# KiCad board IchnaeaV2.kicad_pcb (continued)
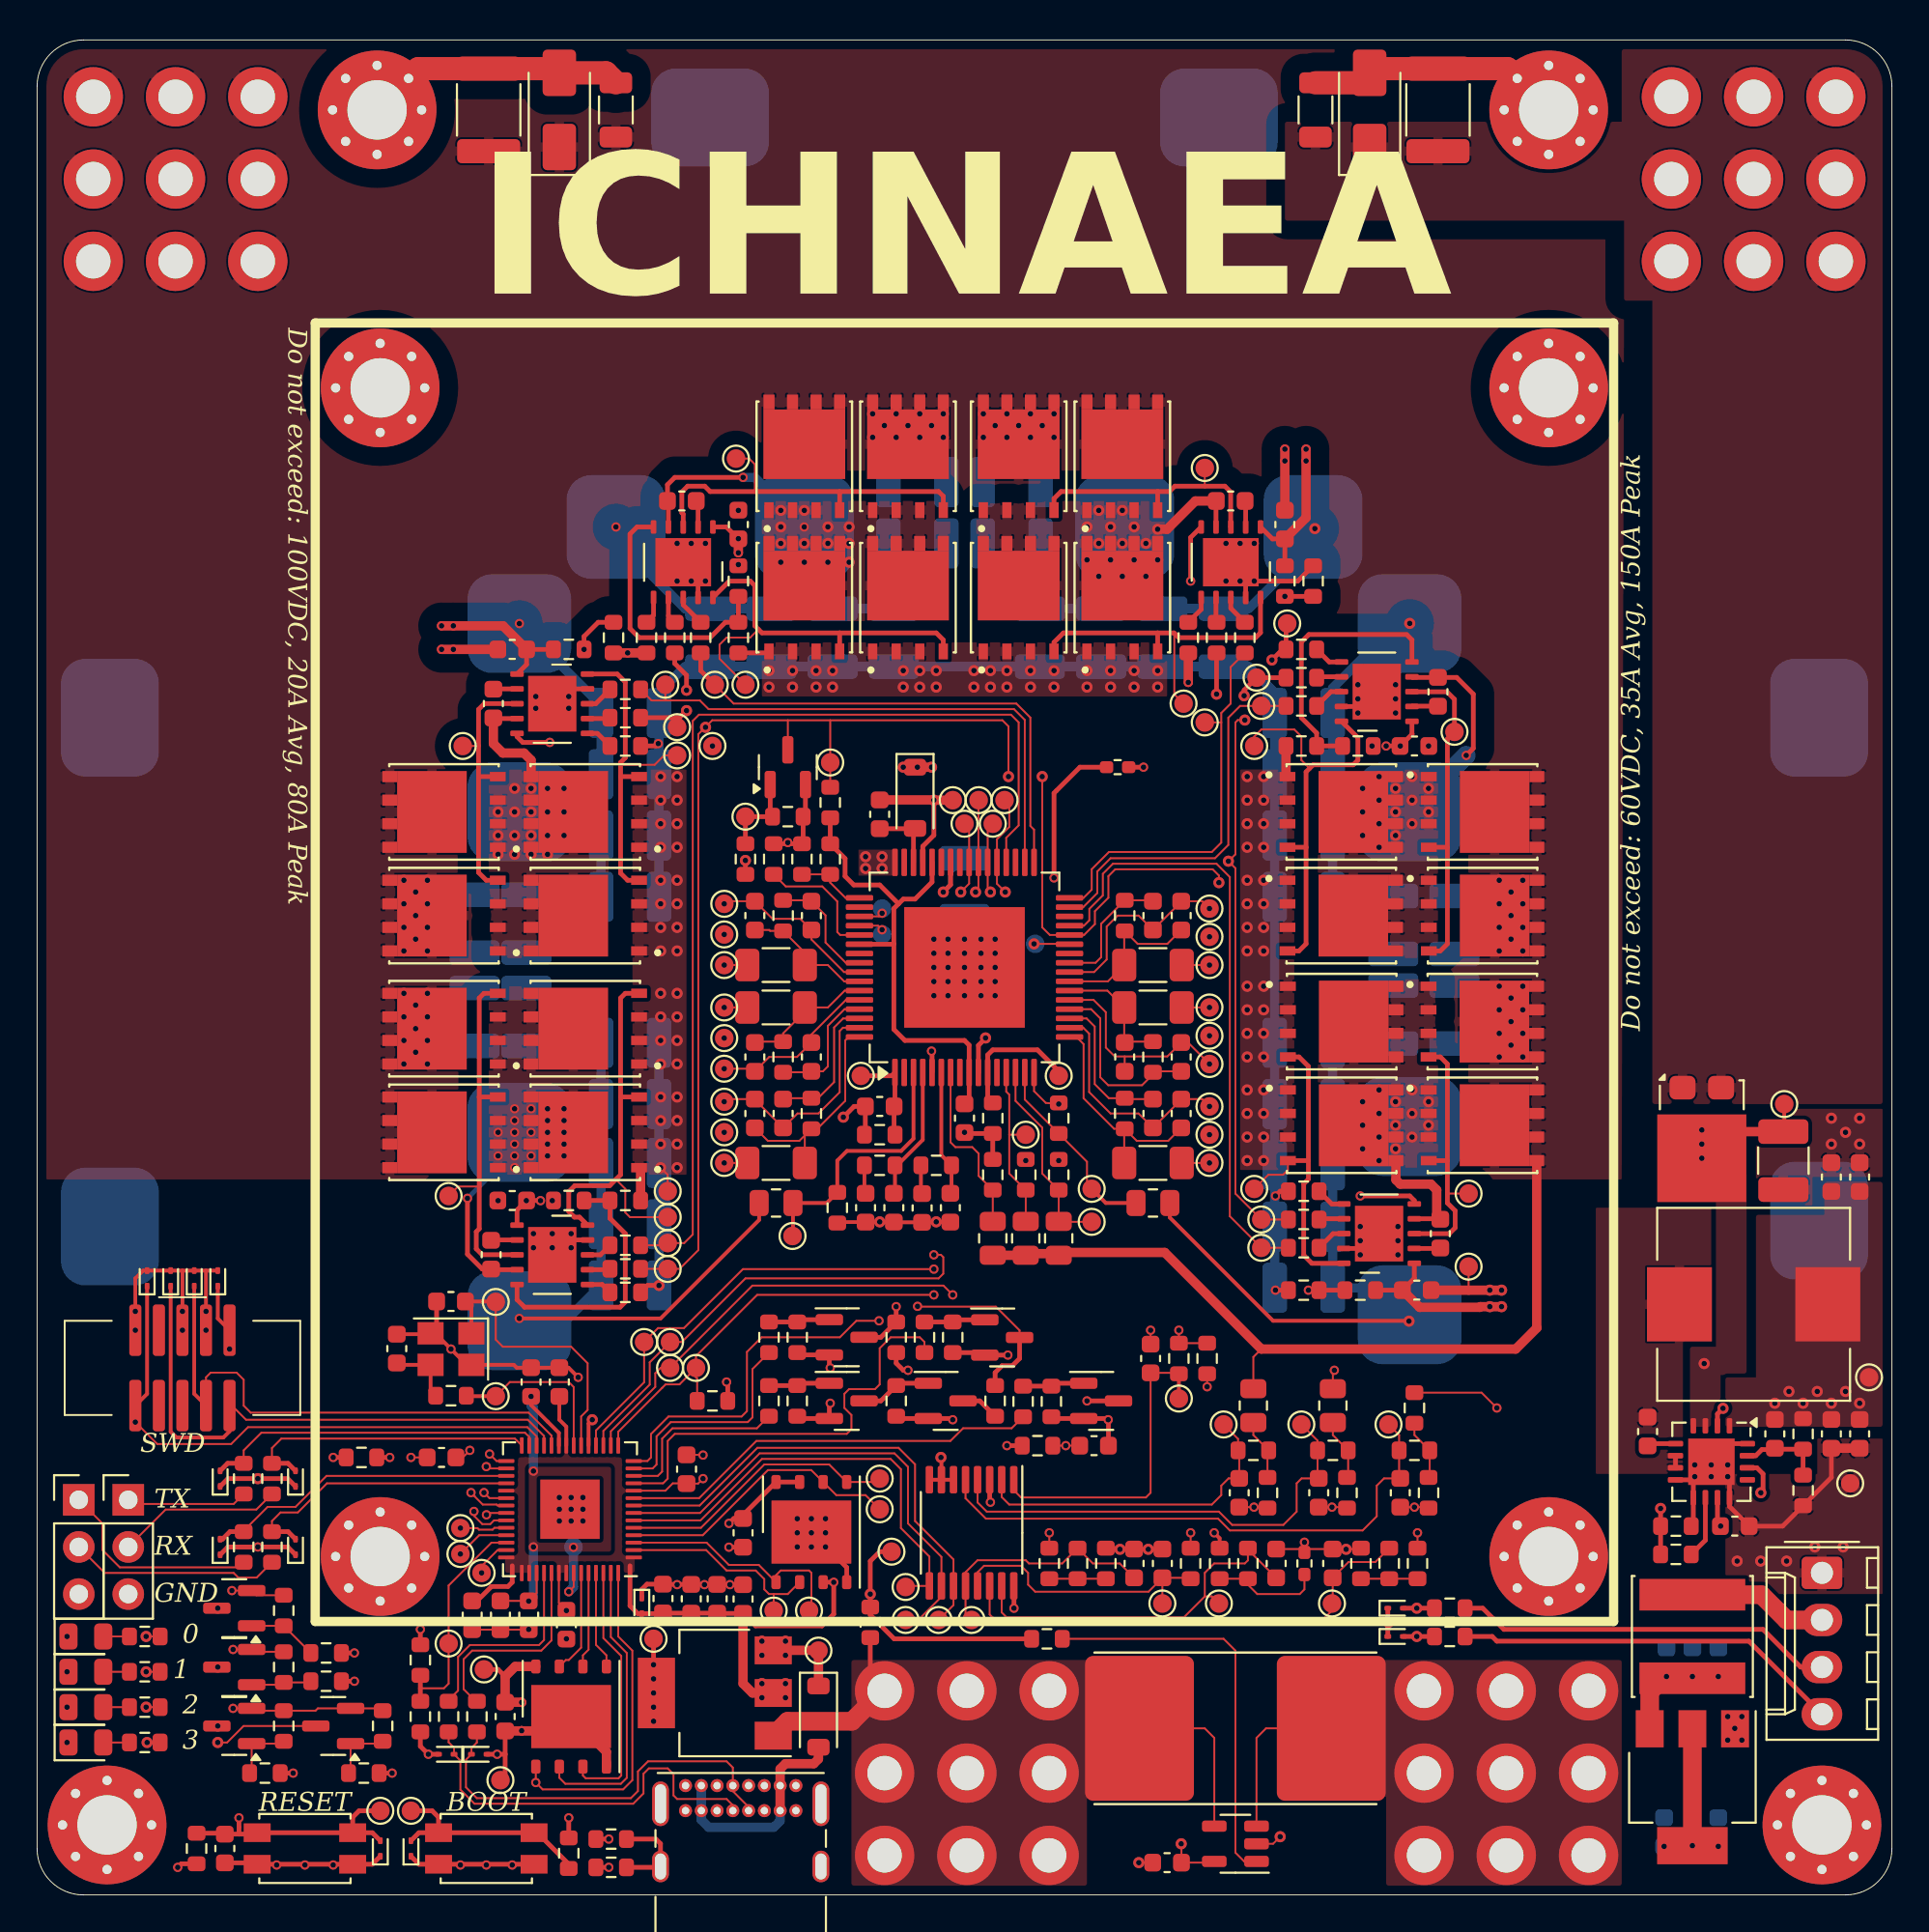
[diagram p0: board, top side]
## Copper pours and planes (outline as drawn; the poured copper is in the pictures) (continued)
VHIGH on Top: 0.22,99.78 0.09,38.57 85.43,38.57 85.56,85.56 85.56,99.78
VHIGH on Bottom: 27.65,55.19 18.63,55.19 18.63,44.53 27.39,44.53 27.39,47.07 21.42,47.07 21.42,52.66 27.65,52.66
VHIGH on Bottom: 72.22,44.91 81.24,44.91 81.24,54.94 72.48,54.94 72.48,53.16 78.45,53.16 78.45,46.56 72.22,46.56
VHIGH on Bottom: 55.14,71.9 55.14,80.91 44.73,80.91 44.73,72.15 46.51,72.15 46.51,78.25 53.49,78.25 53.49,71.9
VHIGH on In1.Cu: 46.44,54.95 46.44,80.35 43.9,80.35 43.9,54.95
VLOW on Top: 100.04,42.63 87.08,42.63 87.08,85.94 85.56,85.94 85.56,90.26 67.27,90.26 67.27,95.59 85.43,95.59 85.43,100.04 100.04,100.04
VLOW on Bottom: 98.77,98.77 98.77,26.63 0.22,26.63 0.22,85.05 14.95,85.05 14.95,99.28
Net-(C76-Pad2) on Top: 88.74,29.81 90.26,29.81 90.26,37.05 84.04,37.05 84.04,22.69 88.74,22.69
Net-(Q2-S) on Top: 69.05,39.2 69.05,49.36 75.53,49.36 75.53,39.2
Net-(Q6-S) on Top: 69.05,50.51 69.05,60.67 75.53,60.67 75.53,50.51
Net-(Q10-S) on Top: 60.79,68.67 50.63,68.67 50.63,75.15 60.79,75.15
Net-(Q14-S) on Top: 49.24,68.67 39.08,68.67 39.08,75.15 49.24,75.15
Net-(Q18-S) on Top: 30.82,60.67 30.82,50.51 24.35,50.51 24.35,60.67
Net-(Q22-S) on Top: 30.82,48.98 30.82,38.82 24.35,38.82 24.35,48.98

## Text on the board
B.Silkscreen: GND | +12V | FB | CTL | TX | RX | COOLING FAN | BMS | DEBUG | https://github.com/brandonbraun653/Ichnaea / 2KW MPPT Solar Charger, 12V-58V, 35A | SN: | VER: 2.0 | SOLAR+ | BATT+ | SOLAR- | BATT-
F.Silkscreen: TX | RX | GND | SWD | RESET | BOOT | 1 | 0 | 2 | 3 | Do not exceed: 60VDC, 35A Avg, 150A Peak | Do not exceed: 100VDC, 20A Avg, 80A Peak | ICHNAEA
